# Altium PCB MB1363.PcbDoc (part 3 of 7) (continued)
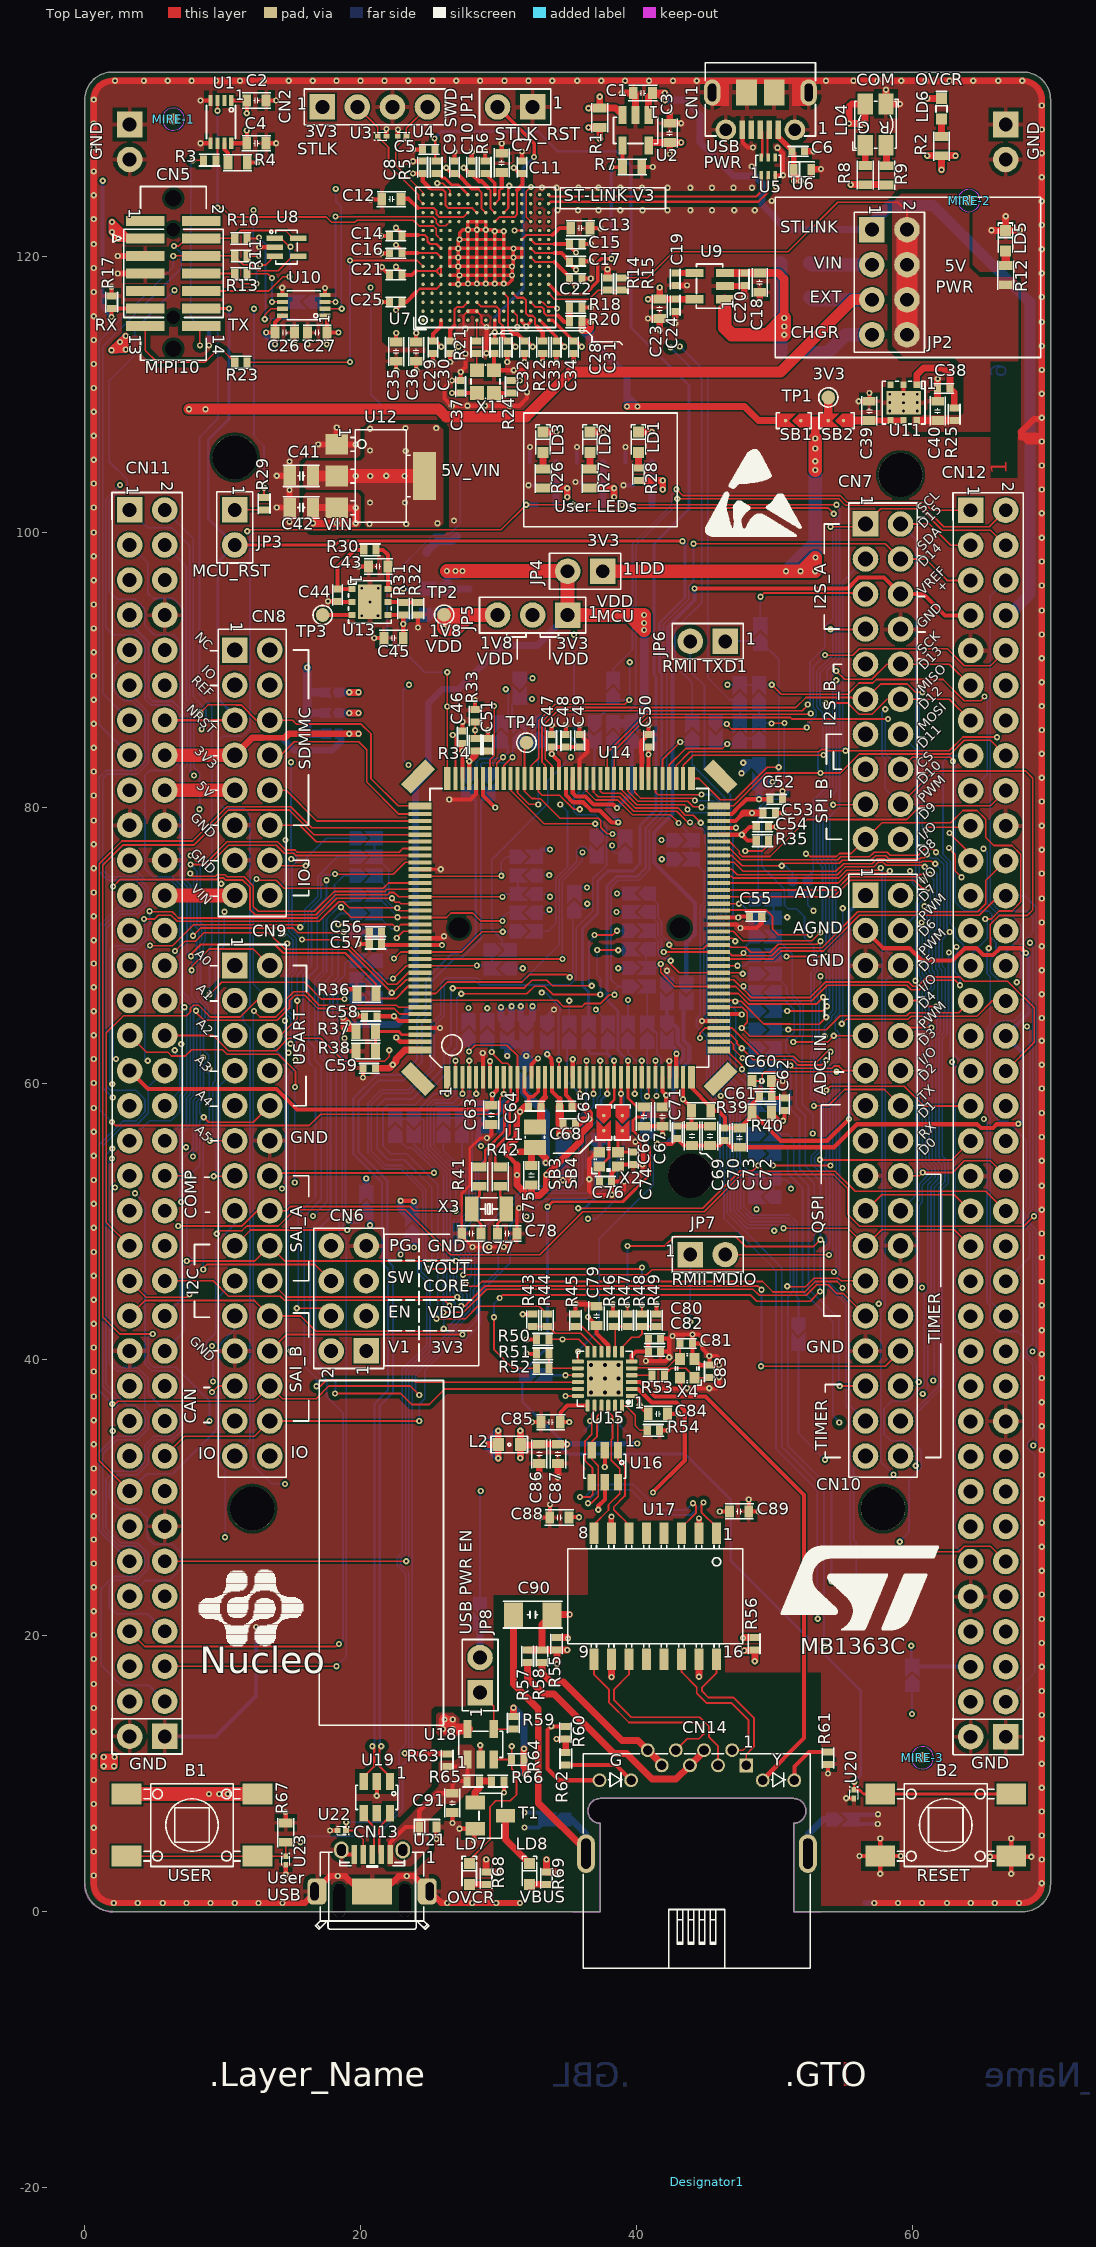
[diagram p0: Top Layer view]
## Nets (pads, with @x,y where several pads share a name; then routed paths per layer and width w, separated by ;. In a path a pad name is that pad's centre, name@x,y a point inside that pad or via, vN(x,y) a via of type N, cw(c..) or ccw(c..) an arc to the next point about the centre after c; other vN are vias at no path point) (continued)
  Top Layer w0.5: 30.564,54.904 30.564,55.349 31.307,56.092 31.307,57.745 v1(31.541,57.979) 31.941,58.379 C64.1@32.166,58.379 ; 31.331,54.136 v1(31.331,53.4) 31.331,52.664 32.091,51.904 ; v1@32.341,51.904 v1@32.491,51.904 ; C75.1@32.366,52.679 32.366,52.029 v1@32.491,51.904 ; v1(32.941,31.479) C86.1@32.941,32.479 ; v1(34.291,31.479) C87.1@34.291,32.479 ; C65.1@35.316,58.379 v1(35.916,58.379) 36.055,58.379 36.566,57.868 v1(36.566,57.454) v1@36.566,57.379 ; C68.1@35.816,57.129 36.066,57.379 v1@36.566,57.379 ; v1@36.63,57.379 v1@36.566,57.379 ; R14.1@37.891,118.429 v1(37.891,119.054) ; v1(38.923,131.804) 38.907,131.82 C1.1@39.748,131.82 39.916,131.652 U2.2@39.916,130.214 ; v1(42.391,130.454) 42.396,130.449 C3.1@42.396,129.627 43.218,129.627 v1(43.223,129.632) ; v1(58.066,132.054) LD4.1@58.066,131.029 v1(59.091,131.029) ; C40.1@61.816,109.479 C38.2@61.816,110.404 v1(61.816,111.104) ; v1(65.721,121.869) LD5.2@66.746,121.869 ; v1(66.746,122.894) LD5.2@66.746,121.869 ; v1(67.771,121.869) LD5.2@66.746,121.869 ; v1@32.491,51.904 32.941,51.904 33.466,52.429 v1(33.466,53.406) 35.914,55.854 35.914,56.371 36.566,57.023 v1@36.566,57.379
  Signal Layer 1 w0.45: v1@31.575,0.625 25.837,0.625 CN13.9@24.998,1.464 23.883,2.579 v1(23.341,2.579) 22.741,2.579 21.626,1.464 20.006,1.464 18.891,2.579 v1(18.327,2.579) 17.763,2.579 CN13.8@16.648,1.464 16.648,1.33 15.947,0.629 v1(14.329,0.629) v1(12.591,0.629) v1(10.866,0.629) v1(9.104,0.629) v1(7.366,0.629) v1(5.641,0.629) v1(3.829,0.629) v1(2.091,0.629) cw(c2.091,2.079) 0.641,2.079 v1(0.641,2.616) v1(0.641,4.354) v1(0.641,6.079) v1(0.641,7.804) v1(0.641,9.541) v1(0.641,11.266) v1(0.641,13.029) v1(0.641,14.766) v1(0.641,16.491) v1(0.641,18.304) v1(0.641,20.041) v1(0.641,21.766) v1(0.641,23.504) v1(0.641,25.241) v1(0.641,26.966) v1(0.641,28.654) v1(0.641,30.391) v1(0.641,32.116) v1(0.641,33.879) v1(0.641,35.616) v1(0.641,37.341) v1(0.641,39.154) v1(0.641,40.891) v1(0.641,42.616) v1(0.641,44.354) v1(0.641,46.091) v1(0.641,47.816) v1(0.641,49.566) v1(0.641,51.304) v1(0.641,53.029) v1(0.641,54.791) v1(0.641,56.529) v1(0.641,58.254) v1(0.641,60.066) v1(0.641,61.804) v1(0.641,63.529) v1(0.641,65.266) v1(0.641,67.004) v1(0.641,68.729) v1(0.641,70.404) v1(0.641,72.141) v1(0.641,73.866) v1(0.641,75.629) v1(0.641,77.366) v1(0.641,79.091) v1(0.641,80.904) v1(0.641,82.641) v1(0.641,84.366) v1(0.641,86.104) v1(0.641,87.841) v1(0.641,89.566) v1(0.641,91.279) v1(0.641,93.016) v1(0.641,94.741) v1(0.641,96.504) v1(0.641,98.241) v1(0.641,99.966) v1(0.641,101.779) v1(0.641,103.516) v1(0.641,105.241) v1(0.641,106.979) v1(0.641,108.716) v1(0.641,110.441) v1(0.641,112.179) v1(0.641,113.916) v1(0.641,115.641) v1(0.641,117.404) v1(0.641,119.141) v1(0.641,120.866) v1(0.641,122.679) v1(0.641,124.416) v1(0.641,126.141) v1(0.641,127.879) v1(0.641,129.616) 0.641,131.294 cw(c2.062,131.294) 2.062,132.715 CN1.8@45.441,132.715 ; CN1.8@45.466,131.858 45.466,132.69 CN1.8@45.441,132.715 ; v1(57.216,0.625) v1(58.941,0.625) v1(60.678,0.625) v1(62.491,0.625) v1(64.216,0.625) v1(65.954,0.625) v1(67.716,0.625) 67.938,0.625 ccw(c67.938,2.053) v1(69.366,2.053) v1(69.366,3.778) v1(69.366,5.515) 69.366,5.552 69.375,5.561 69.375,131.278 ccw(c67.949,131.278) v1(67.949,132.704) v1(66.212,132.704) v1(64.399,132.704) v1(62.674,132.704) v1(60.937,132.704) v1(59.174,132.704) v1(57.449,132.704) v1(55.712,132.704) v1(53.729,132.704) 52.352,132.704 52.341,132.715 CN1.8@45.441,132.715
  Signal Layer 2 w0.3: v1(26.042,70.705) v1@26.067,70.679 ; v1(47.202,78.559) v1@47.207,78.554
  Signal Layer 2 w0.45: 31.925,0.625 25.837,0.625 CN13.9@24.998,1.464 23.883,2.579 v1(23.341,2.579) 22.741,2.579 21.626,1.464 20.006,1.464 18.891,2.579 v1(18.327,2.579) 17.763,2.579 CN13.8@16.648,1.464 16.648,1.33 15.947,0.629 v1(14.329,0.629) v1(12.591,0.629) v1(10.866,0.629) v1(9.104,0.629) v1(7.366,0.629) v1(5.641,0.629) v1(3.829,0.629) v1(2.091,0.629) cw(c2.091,2.079) 0.641,2.079 v1(0.641,2.616) v1(0.641,4.354) v1(0.641,6.079) v1(0.641,7.804) v1(0.641,9.541) v1(0.641,11.266) v1(0.641,13.029) v1(0.641,14.766) v1(0.641,16.491) v1(0.641,18.304) v1(0.641,20.041) v1(0.641,21.766) v1(0.641,23.504) v1(0.641,25.241) v1(0.641,26.966) v1(0.641,28.654) v1(0.641,30.391) v1(0.641,32.116) v1(0.641,33.879) v1(0.641,35.616) v1(0.641,37.341) v1(0.641,39.154) v1(0.641,40.891) v1(0.641,42.616) v1(0.641,44.354) v1(0.641,46.091) v1(0.641,47.816) v1(0.641,49.566) v1(0.641,51.304) v1(0.641,53.029) v1(0.641,54.791) v1(0.641,56.529) v1(0.641,58.254) v1(0.641,60.066) v1(0.641,61.804) v1(0.641,63.529) v1(0.641,65.266) v1(0.641,67.004) v1(0.641,68.729) v1(0.641,70.404) v1(0.641,72.141) v1(0.641,73.866) v1(0.641,75.629) v1(0.641,77.366) v1(0.641,79.091) v1(0.641,80.904) v1(0.641,82.641) v1(0.641,84.366) v1(0.641,86.104) v1(0.641,87.841) v1(0.641,89.566) v1(0.641,91.279) v1(0.641,93.016) v1(0.641,94.741) v1(0.641,96.504) v1(0.641,98.241) v1(0.641,99.966) v1(0.641,101.779) v1(0.641,103.516) v1(0.641,105.241) v1(0.641,106.979) v1(0.641,108.716) v1(0.641,110.441) v1(0.641,112.179) v1(0.641,113.916) v1(0.641,115.641) v1(0.641,117.404) v1(0.641,119.141) v1(0.641,120.866) v1(0.641,122.679) v1(0.641,124.416) v1(0.641,126.141) v1(0.641,127.879) v1(0.641,129.616) 0.641,131.294 cw(c2.062,131.294) 2.062,132.715 CN1.8@45.441,132.715 ; CN1.8@45.466,131.858 45.466,132.69 CN1.8@45.441,132.715 ; v1(57.216,0.625) v1(58.941,0.625) v1(60.678,0.625) v1(62.491,0.625) v1(64.216,0.625) v1(65.954,0.625) v1(67.716,0.625) 67.938,0.625 ccw(c67.938,2.053) v1(69.366,2.053) v1(69.366,3.778) v1(69.366,5.515) 69.366,5.552 69.375,5.561 69.375,45.679 69.375,131.278 ccw(c67.949,131.278) v1(67.949,132.704) v1(66.212,132.704) v1(64.399,132.704) v1(62.674,132.704) v1(60.937,132.704) v1(59.174,132.704) v1(57.449,132.704) v1(55.712,132.704) v1(53.729,132.704) 52.352,132.704 52.341,132.715 CN1.8@45.441,132.715
  Signal Layer 3 w0.45: 28.65,0.625 25.837,0.625 CN13.9@24.998,1.464 23.883,2.579 v1(23.341,2.579) 22.741,2.579 21.626,1.464 20.006,1.464 18.891,2.579 v1(18.327,2.579) 17.763,2.579 CN13.8@16.648,1.464 16.648,1.33 15.947,0.629 v1(14.329,0.629) v1(12.591,0.629) v1(10.866,0.629) v1(9.104,0.629) v1(7.366,0.629) v1(5.641,0.629) v1(3.829,0.629) v1(2.091,0.629) cw(c2.091,2.079) 0.641,2.079 v1(0.641,2.616) v1(0.641,4.354) v1(0.641,6.079) v1(0.641,7.804) v1(0.641,9.541) v1(0.641,11.266) v1(0.641,13.029) v1(0.641,14.766) v1(0.641,16.491) v1(0.641,18.304) v1(0.641,20.041) v1(0.641,21.766) v1(0.641,23.504) v1(0.641,25.241) v1(0.641,26.966) v1(0.641,28.654) v1(0.641,30.391) v1(0.641,32.116) v1(0.641,33.879) v1(0.641,35.616) v1(0.641,37.341) v1(0.641,39.154) v1(0.641,40.891) v1(0.641,42.616) v1(0.641,44.354) v1(0.641,46.091) v1(0.641,47.816) v1(0.641,49.566) v1(0.641,51.304) v1(0.641,53.029) v1(0.641,54.791) v1(0.641,56.529) v1(0.641,58.254) v1(0.641,60.066) v1(0.641,61.804) v1(0.641,63.529) v1(0.641,65.266) v1(0.641,67.004) v1(0.641,68.729) v1(0.641,70.404) v1(0.641,72.141) v1(0.641,73.866) v1(0.641,75.629) v1(0.641,77.366) v1(0.641,79.091) v1(0.641,80.904) v1(0.641,82.641) v1(0.641,84.366) v1(0.641,86.104) v1(0.641,87.841) v1(0.641,89.566) v1(0.641,91.279) v1(0.641,93.016) v1(0.641,94.741) v1(0.641,96.504) v1(0.641,98.241) v1(0.641,99.966) v1(0.641,101.779) v1(0.641,103.516) v1(0.641,105.241) v1(0.641,106.979) v1(0.641,108.716) v1(0.641,110.441) v1(0.641,112.179) v1(0.641,113.916) v1(0.641,115.641) v1(0.641,117.404) v1(0.641,119.141) v1(0.641,120.866) v1(0.641,122.679) v1(0.641,124.416) v1(0.641,126.141) v1(0.641,127.879) v1(0.641,129.616) 0.641,131.294 cw(c2.062,131.294) 2.062,132.715 CN1.8@45.441,132.715 ; CN1.8@45.466,131.858 45.466,132.69 CN1.8@45.441,132.715 ; v1(57.216,0.625) v1(58.941,0.625) v1(60.678,0.625) v1(62.491,0.625) v1(64.216,0.625) v1(65.954,0.625) v1(67.716,0.625) 67.938,0.625 ccw(c67.938,2.053) v1(69.366,2.053) v1(69.366,3.778) v1(69.366,5.515) 69.366,5.552 69.375,5.561 69.375,47.416 69.375,131.278 ccw(c67.949,131.278) v1(67.949,132.704) v1(66.212,132.704) v1(64.399,132.704) v1(62.674,132.704) v1(60.937,132.704) v1(59.174,132.704) v1(57.449,132.704) v1(55.712,132.704) v1(53.729,132.704) 52.352,132.704 52.341,132.715 CN1.8@45.441,132.715
  Signal Layer 4 w0.45: v1@31.525,0.625 25.837,0.625 CN13.9@24.998,1.464 23.883,2.579 v1(23.341,2.579) 22.741,2.579 21.626,1.464 20.006,1.464 18.891,2.579 v1(18.327,2.579) 17.763,2.579 CN13.8@16.648,1.464 16.648,1.33 15.947,0.629 v1(14.329,0.629) v1(12.591,0.629) v1(10.866,0.629) v1(9.104,0.629) v1(7.366,0.629) v1(5.641,0.629) v1(3.829,0.629) v1(2.091,0.629) cw(c2.091,2.079) 0.641,2.079 v1(0.641,2.616) v1(0.641,4.354) v1(0.641,6.079) v1(0.641,7.804) v1(0.641,9.541) v1(0.641,11.266) v1(0.641,13.029) v1(0.641,14.766) v1(0.641,16.491) v1(0.641,18.304) v1(0.641,20.041) v1(0.641,21.766) v1(0.641,23.504) v1(0.641,25.241) v1(0.641,26.966) v1(0.641,28.654) v1(0.641,30.391) v1(0.641,32.116) v1(0.641,33.879) v1(0.641,35.616) v1(0.641,37.341) v1(0.641,39.154) v1(0.641,40.891) v1(0.641,42.616) v1(0.641,44.354) v1(0.641,46.091) v1(0.641,47.816) v1(0.641,49.566) v1(0.641,51.304) v1(0.641,53.029) v1(0.641,54.791) v1(0.641,56.529) v1(0.641,58.254) v1(0.641,60.066) v1(0.641,61.804) v1(0.641,63.529) v1(0.641,65.266) v1(0.641,67.004) v1(0.641,68.729) v1(0.641,70.404) v1(0.641,72.141) v1(0.641,73.866) v1(0.641,75.629) v1(0.641,77.366) v1(0.641,79.091) v1(0.641,80.904) v1(0.641,82.641) v1(0.641,84.366) v1(0.641,86.104) v1(0.641,87.841) v1(0.641,89.566) v1(0.641,91.279) v1(0.641,93.016) v1(0.641,94.741) v1(0.641,96.504) v1(0.641,98.241) v1(0.641,99.966) v1(0.641,101.779) v1(0.641,103.516) v1(0.641,105.241) v1(0.641,106.979) v1(0.641,108.716) v1(0.641,110.441) v1(0.641,112.179) v1(0.641,113.916) v1(0.641,115.641) v1(0.641,117.404) v1(0.641,119.141) v1(0.641,120.866) v1(0.641,122.679) v1(0.641,124.416) v1(0.641,126.141) v1(0.641,127.879) v1(0.641,129.616) 0.641,131.294 cw(c2.062,131.294) 2.062,132.715 CN1.8@45.441,132.715 ; CN1.8@45.466,131.858 45.466,132.69 CN1.8@45.441,132.715 ; v1(57.216,0.625) v1(58.941,0.625) v1(60.678,0.625) v1(62.491,0.625) v1(64.216,0.625) v1(65.954,0.625) v1(67.716,0.625) 67.938,0.625 ccw(c67.938,2.053) v1(69.366,2.053) v1(69.366,3.778) v1(69.366,5.515) 69.366,5.552 69.375,5.561 69.375,49.154 69.375,131.278 ccw(c67.949,131.278) v1(67.949,132.704) v1(66.212,132.704) v1(64.399,132.704) v1(62.674,132.704) v1(60.937,132.704) v1(59.174,132.704) v1(57.449,132.704) v1(55.712,132.704) v1(53.729,132.704) 52.352,132.704 52.341,132.715 CN1.8@45.441,132.715
  Bottom Layer w0.3: CN16.1@5.786,12.699 9.486,12.699 12.416,15.629 v1(12.416,20.629) ; v1(8.991,113.529) U24.2@8.991,114.504 ; v1(31.875,6.1) 32.9,6.1 SB101.2@33.475,6.675 32.975,7.175 v1(31.875,7.175) ; v1(32.15,103.392) 32.157,103.385 R73.1@32.811,103.385 ; Q3.2@32.258,105.047 v1(32.258,106.165) ; SB74.1@33.509,64.253 33.509,64.879 v1(34.009,65.379) ; v1(35.566,103.629) 35.967,103.629 R72.1@36.211,103.385 ; Q2.2@35.666,105.047 v1(35.666,106.165) ; v1(39.05,103.392) 39.057,103.385 R71.1@39.711,103.385 ; Q1.2@39.191,105.047 v1(39.191,106.165) ; SB61.1@42.191,67.079 v1(42.191,68.204) ; v1@57.45,6.375 v1@57.425,6.35 ; v1(57.475,6.35) v1@57.425,6.35 ; v1@57.5,6.35 57.45,6.3 57.375,6.3 v1@57.425,6.35 ; v1@57.5,7.025 55.9,7.025 SB102.2@55.55,6.675 55.875,6.35 v1@57.425,6.35
  Bottom Layer w0.45: v1@31.55,0.625 25.837,0.625 CN13.9@24.998,1.464 23.883,2.579 v1(23.341,2.579) 22.741,2.579 21.626,1.464 20.006,1.464 18.891,2.579 v1(18.327,2.579) 17.763,2.579 CN13.8@16.648,1.464 16.648,1.33 15.947,0.629 v1(14.329,0.629) v1(12.591,0.629) v1(10.866,0.629) v1(9.104,0.629) v1(7.366,0.629) v1(5.641,0.629) v1(3.829,0.629) v1(2.091,0.629) cw(c2.091,2.079) 0.641,2.079 v1(0.641,2.616) v1(0.641,4.354) v1(0.641,6.079) v1(0.641,7.804) v1(0.641,9.541) v1(0.641,11.266) v1(0.641,13.029) v1(0.641,14.766) v1(0.641,16.491) v1(0.641,18.304) v1(0.641,20.041) v1(0.641,21.766) v1(0.641,23.504) v1(0.641,25.241) v1(0.641,26.966) v1(0.641,28.654) v1(0.641,30.391) v1(0.641,32.116) v1(0.641,33.879) v1(0.641,35.616) v1(0.641,37.341) v1(0.641,39.154) v1(0.641,40.891) v1(0.641,42.616) v1(0.641,44.354) v1(0.641,46.091) v1(0.641,47.816) v1(0.641,49.566) v1(0.641,51.304) v1(0.641,53.029) v1(0.641,54.791) v1(0.641,56.529) v1(0.641,58.254) v1(0.641,60.066) v1(0.641,61.804) v1(0.641,63.529) v1(0.641,65.266) v1(0.641,67.004) v1(0.641,68.729) v1(0.641,70.404) v1(0.641,72.141) v1(0.641,73.866) v1(0.641,75.629) v1(0.641,77.366) v1(0.641,79.091) v1(0.641,80.904) v1(0.641,82.641) v1(0.641,84.366) v1(0.641,86.104) v1(0.641,87.841) v1(0.641,89.566) v1(0.641,91.279) v1(0.641,93.016) v1(0.641,94.741) v1(0.641,96.504) v1(0.641,98.241) v1(0.641,99.966) v1(0.641,101.779) v1(0.641,103.516) v1(0.641,105.241) v1(0.641,106.979) v1(0.641,108.716) v1(0.641,110.441) v1(0.641,112.179) v1(0.641,113.916) v1(0.641,115.641) v1(0.641,117.404) v1(0.641,119.141) v1(0.641,120.866) v1(0.641,122.679) v1(0.641,124.416) v1(0.641,126.141) v1(0.641,127.879) v1(0.641,129.616) 0.641,131.294 cw(c2.062,131.294) 2.062,132.715 CN1.8@45.441,132.715 ; CN1.8@45.466,131.858 45.466,132.69 CN1.8@45.441,132.715 ; 56.6,0.625 v1(57.216,0.625) v1(58.941,0.625) v1(60.678,0.625) v1(62.491,0.625) v1(64.216,0.625) v1(65.954,0.625) v1(67.716,0.625) 67.938,0.625 ccw(c67.938,2.053) v1(69.366,2.053) v1(69.366,3.778) v1(69.366,5.515) 69.366,5.552 69.375,5.561 69.375,45.679 69.375,131.278 ccw(c67.949,131.278) v1(67.949,132.704) v1(66.212,132.704) v1(64.399,132.704) v1(62.674,132.704) v1(60.937,132.704) v1(59.174,132.704) v1(57.449,132.704) v1(55.712,132.704) v1(53.729,132.704) 52.352,132.704 52.341,132.715 CN1.8@45.441,132.715
  Bottom Layer w0.6: 24.775,98.475 24.775,98.575 25.545,99.345 26.62,99.345 26.975,99.7
  other v1: 26.266,0.629 28.079,0.629 29.816,0.629 31.541,0.629 57.5,7.05 20.066,93.929 21.241,93.929 20.666,94.929 20.066,95.929 21.266,95.929 26.75,100.825 13.916,101.779 13.916,104.079 58.341,108.779 59.341,108.779 60.341,108.779 58.341,109.379 59.348,109.376 60.341,109.379 58.341,109.979 60.341,109.979 37.4,122 34.266,123.329 35.741,123.329 37.241,123.329 38.816,123.329 40.416,123.329 42.241,123.329 43.891,123.329 45.466,123.329 47.066,123.329 48.566,123.329 49.791,124.004 20.725,124.1 34.191,124.954 35.791,124.954 37.241,124.954 38.816,124.954 40.391,124.954 42.241,124.954 43.891,124.954 45.466,124.954 47.016,124.954 48.366,124.954 33.141,124.979 50.091,125.029 48.341,126.504 0.641,131.341 2.178,132.716 4.279,132.716 6.016,132.716 7.741,132.716 9.503,132.716 11.241,132.716 12.966,132.716 14.778,132.716 16.516,132.716 18.241,132.716 19.978,132.716 21.716,132.716 23.441,132.716 25.191,132.716 26.929,132.716 28.654,132.716 30.416,132.716 32.153,132.716 33.878,132.716 35.691,132.716 37.429,132.716 39.154,132.716 40.891,132.716 42.628,132.716 44.354,132.716
  other v2: 36.691,37.629 37.691,37.629 38.691,37.629 36.691,38.629 37.691,38.629 38.691,38.629 36.691,39.629 37.691,39.629 38.691,39.629
GNDDetect: CN5.11 R17.2 U7.K13 | length 45.2
  Top Layer w0.15: U7.K13@30.366,123.154 30.691,123.479 30.691,125.029 v1(30.766,125.104)
  Top Layer w0.3: v1(1.941,115.579) R17.2@1.941,116.204 CN5.11@4.389,116.204
  Signal Layer 2 w0.3: v1(1.291,125.454) 24.466,125.454 25.136,124.784 30.396,124.784 30.741,125.129 v1(30.766,125.104)
  Bottom Layer w0.3: v1(1.291,125.454) 1.291,116.229 v1(1.941,115.579)
IOREF: CN8.3 CN11.12 SB13.2 SB14.2 SB24.2 | length 19.5
  Signal Layer 2 w0.45: 12.774,90.169 14.356,90.169
  Signal Layer 2 w0.6: CN11.12@5.786,88.899 CN8.3@10.866,88.899 12.136,90.169 12.774,90.169 ; 14.356,90.169 16.106,90.169 v1(16.116,90.179)
  Bottom Layer w0.6: v1(16.116,90.179) 16.116,88.375 ; SB24.2@17.4,85.375 17.396,85.379 16.116,85.379 16.116,86.9 ; SB14.2@17.4,86.875 17.396,86.879 16.137,86.879 16.116,86.9 ; SB13.2@17.4,88.375 17.396,88.379 16.12,88.379 16.116,88.375 ; 16.116,86.9 16.116,88.375
LED_STLK: R8.2 R9.2 U7.D15 | length 34.7
  Top Layer w0.12: v1(25.541,125.279) 25.952,125.279 26.466,124.764 U7.D15@26.466,124.454 ; R8.2@56.564,125.179 R8.2@56.566,125.177 ; R9.2@58.091,125.177 R9.2@58.116,125.152
  Top Layer w0.5: v1(55.516,125.179) R8.2@56.564,125.179 ; R8.2@56.566,125.177 R9.2@58.091,125.177
  Signal Layer 2 w0.12: v1(25.541,125.279) 25.771,125.509 50.184,125.509 50.989,124.704 55.066,124.704 55.541,125.179 v1(55.516,125.179)
MORPH_R_12: CN12.12 SB23.2 | length 40.8
  Signal Layer 2 w0.12: v1(30.516,88.604) 30.916,88.204 32.091,88.204 32.361,88.474 54.907,88.474 55.702,89.269 61.065,89.269 62.655,87.679 65.043,87.679 65.048,87.674 65.384,87.674 65.389,87.679 65.566,87.679 66.746,88.859 CN12.12@66.746,88.874
  Bottom Layer w0.12: SB23.2@30.166,86.129 30.166,86.239 30.691,86.764 30.691,88.429 v1(30.516,88.604)
MORPH_R_14: CN12.14 SB10.2 SB22.2 | length 39.3
  Signal Layer 2 w0.12: v1(32.416,87.904) 32.746,88.234 55.007,88.234 55.802,89.029 60.966,89.029 62.556,87.439 64.944,87.439 64.949,87.434 65.483,87.434 65.488,87.439 65.641,87.439 CN12.14@66.746,86.334
  Bottom Layer w0.12: SB22.2@31.516,86.129 31.516,86.229 30.966,86.779 30.966,87.429 31.516,87.979 SB10.2@31.516,88.079 31.691,87.904 v1(32.416,87.904)
MORPH_R_28: CN12.28 SB37.2 SB38.2 | length 29.1
  Signal Layer 2 w0.12: v1(52.816,72.554) 52.952,72.554 55.402,75.004 58.676,75.004 58.916,74.764 59.584,74.764 60.574,73.774 61.284,73.774 61.648,74.139 61.648,75.179 63.748,77.279 64.901,77.279 v1(65.141,77.039)
  Bottom Layer w0.12: SB38.2@51.3,73.725 SB37.2@52.4,73.725 52.4,72.97 v1(52.816,72.554) ; v1(65.141,77.039) 65.401,76.779 65.401,73.077 66.279,72.199 67.204,72.199 67.851,71.552 67.851,70.636 66.746,69.531 CN12.28@66.746,68.554
MORPH_R_29: CN12.29 SB59.2 SB77.2 | length 55.1
  Top Layer w0.12: v1(50.991,63.929) 53.741,63.929 54.746,64.934 59.584,64.934 59.799,65.149 63.341,65.149 CN12.29@64.206,66.014
  Signal Layer 2 w0.12: v1(18.816,63.304) 21.944,63.304 22.398,63.758 22.734,63.758 23.813,62.679 25.903,62.679 27.141,63.916 30.16,63.916 30.435,63.641 32.733,63.641 32.848,63.756 34.221,63.756 34.516,63.461 42.233,63.461 42.323,63.551 43.509,63.551 43.932,63.974 46.963,63.974 47.448,64.459 47.784,64.459 48.314,63.929 v1(50.991,63.929)
  Signal Layer 3 w0.12: v1@18.691,63.304 v1(18.816,63.304)
  Bottom Layer w0.12: v1@18.791,63.354 18.311,63.834 18.311,67.022 18.548,67.259 19.471,67.259 SB59.2@19.791,67.579 ; v1(18.816,63.304) v1@18.839,63.304 ; SB77.2@49.916,63.929 v1(50.991,63.929)
MORPH_R_30: CN12.30 SB43.2 SB47.2 | length 27.9
  Top Layer w0.12: v1(54.868,64.354) 55.208,64.694 59.683,64.694 59.898,64.909 64.664,64.909 65.769,66.014 CN12.30@66.746,66.014
  Signal Layer 2 w0.12: v1(50.916,72.079) 51.13,71.865 54.101,71.865 54.941,72.705 v1(54.941,72.729)
  Bottom Layer w0.12: SB43.2@49.916,73.379 SB47.2@49.916,72.029 49.966,72.079 v1(50.916,72.079) ; v1(54.868,64.354) 54.843,64.329 54.816,64.329 54.941,64.454 v1(54.941,72.729)
NetC7_2: C7.2 U7.J14 | length 2.5
  Top Layer w0.15: U7.J14@29.716,123.804 30.036,124.124 30.036,124.774 30.216,124.954
  Top Layer w0.3: 30.216,124.954 C7.2@30.216,126.054
NetC12_2: C12.2 U7.F13 | length 5.6
  Top Layer w0.15: 24.141,123.479 24.146,123.484 25.289,123.484 25.496,123.276 25.496,123.021 25.694,122.824 27.436,122.824 U7.F13@27.766,123.154
  Top Layer w0.3: C12.2@22.975,124.15 22.979,124.154 23.466,124.154 24.141,123.479
NetC13_2: C13.2 U7.M10 | length 3.8
  Top Layer w0.15: U7.M10@31.666,121.204 31.987,121.525 33.9,121.525
  Top Layer w0.3: 33.9,121.525 34.4,122.025 C13.2@35.1,122.025
NetC18_1: C18.1 C20.2 D1.2 D2.2 D3.2 U9.1 U9.3 | length 26
  Top Layer w0.45: C20.2@47.785,118.779 C20.2@47.794,118.77 ; C18.1@48.907,118.77 C18.1@48.916,118.779
  Top Layer w0.6: U9.3@46.391,118.779 C20.2@47.785,118.779 ; C20.2@47.794,118.77 C18.1@48.907,118.77 ; C18.1@48.916,118.779 50.266,118.779 50.691,118.354 v1(50.691,115.504)
  Top Layer w0.7: 46.391,116.154 U9.1@46.391,116.879
  Top Layer w1: 46.391,116.154 46.391,114.804 46.896,114.299 49.486,114.299 ; 49.486,114.299 v1(50.691,115.504) v1(50.691,114.904) v1(50.691,114.299) 49.486,114.299
  Signal Layer 2 w1: v1(50.691,114.299) v1(50.691,114.904) v1(50.691,115.504)
  Signal Layer 3 w1: v1(50.691,114.299) v1(50.691,114.904) v1(50.691,115.504)
  Bottom Layer w1: D3.2@50.43,113 50.43,114.038 v1(50.691,114.299) v1(50.691,114.904) v1(50.691,115.504) 50.43,115.765 D2.2@50.43,117 D1.2@50.43,119.5
NetC19_2: C19.2 U9.4 | length 1.4
  Top Layer w0.45: C19.2@42.791,118.779 U9.4@44.191,118.779
NetC28_2: C28.2 JP1.2 U7.J1 | length 20.1
  Top Layer w0.25: C28.2@29.716,113.854 v1(29.716,114.479) U7.J1@29.716,115.354 ; JP1.2@29.916,130.809 32.566,128.159 v1(32.566,127.179)
  Bottom Layer w0.25: v1(29.716,114.479) 29.716,115.579 31.791,117.654 31.791,126.404 v1(32.566,127.179)
NetC38_1: C38.1 R25.1 U11.1 | length 6
  Top Layer w0.5: U11.1@60.298,110.676 60.298,111.386 60.791,111.879 62.191,111.879 62.716,111.354 C38.1@62.716,110.404 63.016,110.104 R25.1@63.016,108.979
NetC39_2: C39.2 SB2.1 U11.4 U11.5 | length 4.4
  Top Layer w0.45: C39.2@56.866,108.079 56.869,108.076 U11.4@58.398,108.076 U11.5@59.348,108.076
  Top Layer w0.6: SB2.1@54.991,108.079 C39.2@56.866,108.079
NetC43_1: C43.1 R30.1 SB6.2 U13.6 | length 6.3
  Top Layer w0.3: R30.1@21.116,98.704 21.616,98.704 21.966,98.354 C43.1@21.966,97.504 U13.6@21.966,95.879 v1(23.091,95.879)
  Bottom Layer w0.3: v1(23.091,95.879) SB6.2@24.841,95.879
NetC44_1: C44.1 R30.2 U13.1 | length 5.1
  Top Layer w0.3: U13.1@19.366,95.879 C44.1@18.316,95.879 18.316,97.479 19.541,98.704 R30.2@20.216,98.704
NetC45_2: C45.2 R31.1 SB7.1 U13.4 | length 4.9
  Top Layer w0.3: U13.4@21.966,93.979 23.066,93.979 23.076,93.969 v1(23.076,93.33) 23.075,93.328 C45.2@23.075,92.325
  Bottom Layer w0.3: v1(23.076,93.33) 23.75,94.004 SB7.1@24.941,94.004